# KiCad board GSTrackerOrderFile.kicad_pcb (continued)
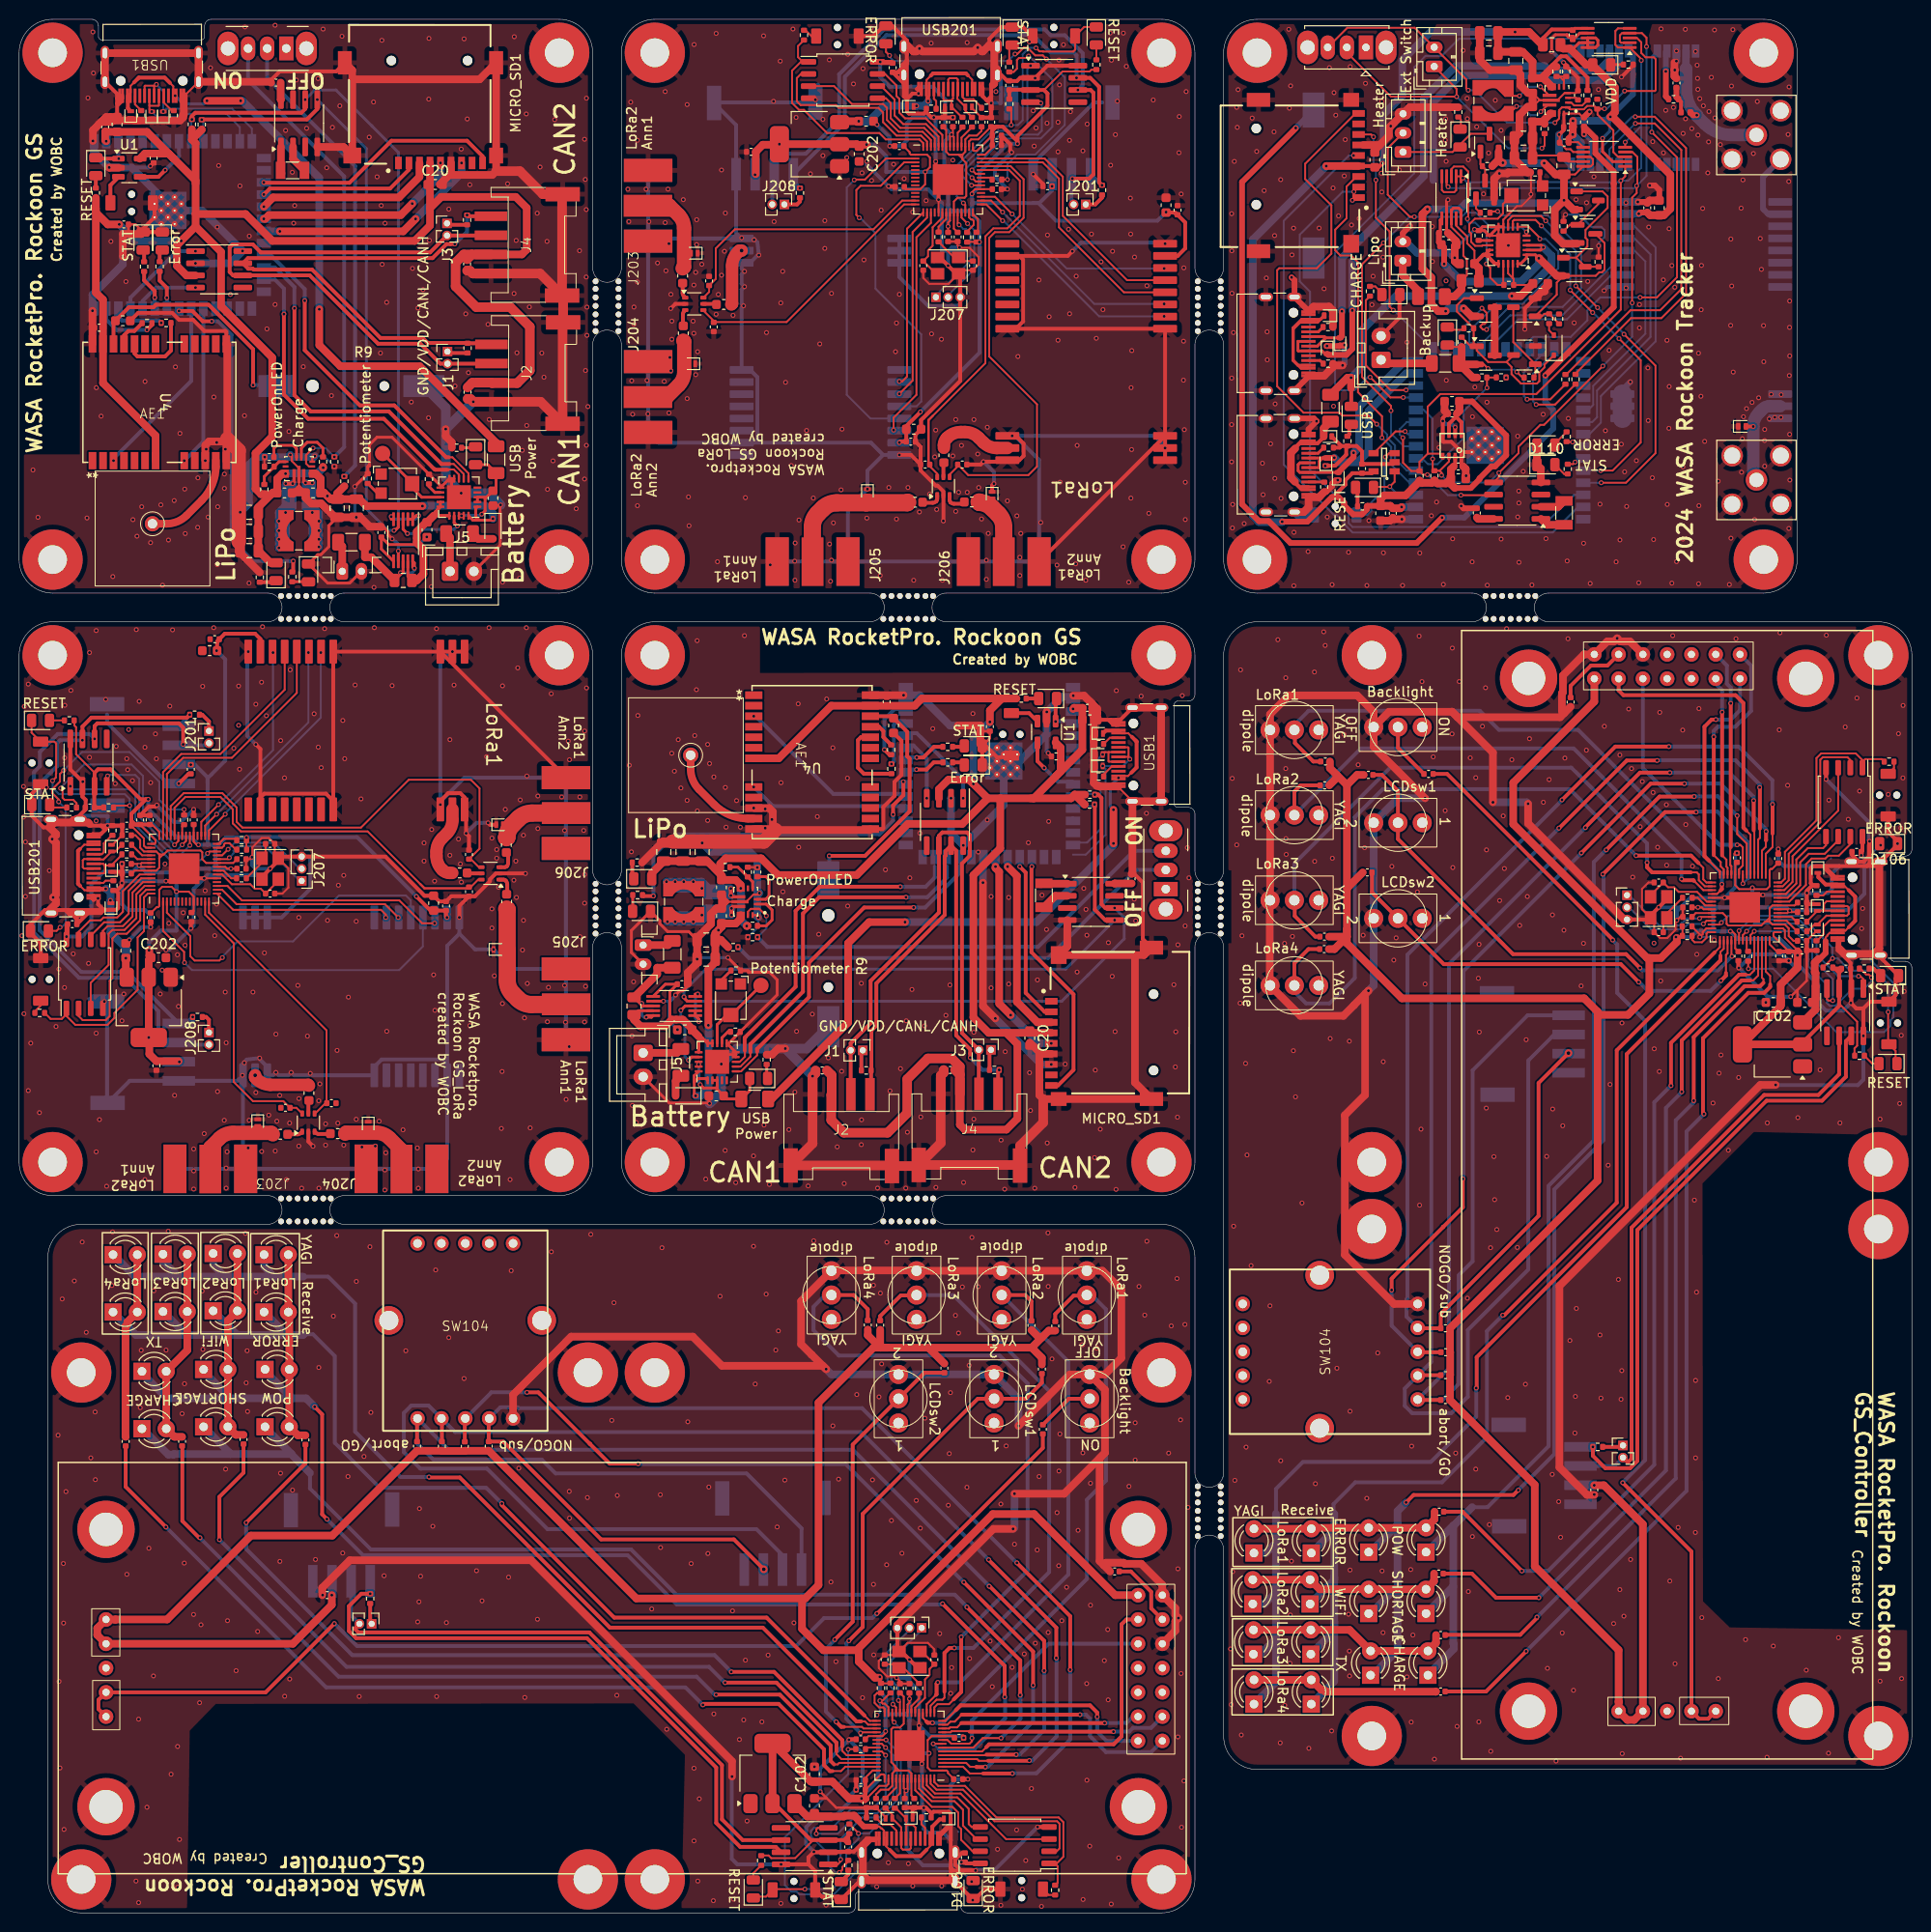
[diagram p0: board, top side]
## Routing (per net, layer and track width the routed paths; a pad name or vN(x,y) marks a point on that pad's centre or on a via; arc(x,y) is an arc through that point) (continued)
(no net): length 12525.4
  Top w0.2: U206#2.49 97.38,185.79 v1(97.53,185.94) ; 98.67,183.45 98.28,183.84 ; 98.67,183.45 98.67,183.37 99.08,182.96 99.08,179.52 98.9,179.34 98.18,179.34 97.78,178.94 U206#2.23 97.78,176.11 98.17,175.72 ; 98.67,183.45 98.67,183.84 ; 98.28,183.84 97.29,183.84 96.98,184.15 U206#2.50 96.98,186.44 96.68,186.74 C222.1 ; 98.28,183.84 98.67,183.84 ; U104#2.25 176.52,103.74 176.12,103.34 ; 116,120.88 116.05,120.93 116.05,121.82 116,121.88 USB1.B6 ; 116,120.88 116.19,120.69 v1(116.19,120.64) ; 116,120.88 USB1.A6 ; R101.2 87.8,8.34 v1(87.8,8.3) ; R205#2.1 9.05,107.93 8.81,107.69 USB201#2.B5 ; U104.41 86.43,15.28 85.98,14.82 85.08,14.82 ; v1(150.83,148.24) 154.18,148.24 U102.6 ; U104.39 86.02,16.08 85.5,16.6 85.5,16.9 ; v1(39.66,104.08) 38.27,105.47 22.74,105.47 21.23,106.98 U206.16 ; R1#2.1 113.45,119.03 114.3,119.88 USB1.A5 ; 179.52,109.76 U104#2.10 179.52,107.46 179.93,107.04 181.17,107.04 v1(181.32,107.19) 181.47,107.04 182.82,107.04 183.12,107.34 U104#2.1 183.12,109.04 183.24,109.16 183.38,109.16 183.92,109.69 183.92,109.76 ; U206#2.43 99.78,184.34 99.88,184.24 100.18,184.24 101.78,185.84 C225#2.1 ; 186.7,93.24 186.58,93.11 ; 15.06,112.45 15.06,119.28 16.96,121.18 21.06,121.18 27.78,127.9 U203#2.8 ; C106#2.2 172,103.67 Y101#2.1 172.37,104.5 R108#2.1 ; v1(100.46,174.71) 100.16,174.71 100.14,174.73 99.18,174.73 ; R129#3.2 150.82,187.51 150.82,186.56 ; USB101.B6 189.07,105.78 188.81,105.51 188.81,104.8 ; 94.93,190.57 94.93,191.66 95.38,192.11 ; U104.26 91.34,20.13 v1(91.54,19.93) ; 177.27,110.6 178,109.88 178,109.43 178.32,109.11 U104#2.13 ; 14.66,110.28 14.66,110.67 ; 14.66,110.28 15.05,110.67 ; 14.66,110.28 14.66,109.29 14.35,108.98 U206.50 12.06,108.98 11.76,108.68 C222#2.1 ; 14.66,110.67 15.05,110.67 ; 14.66,110.67 14.35,110.98 U206.45 13.06,110.98 12.66,111.38 12.66,112.18 12.16,112.68 C224#2.2 ; USB201.A7 97.2,191.71 97.33,191.84 98.06,191.84 98.2,191.71 USB201.B7 98.14,190.66 98.14,189.68 D208.2 ; 101.17,17.32 100.73,16.88 U104.6 ; U206.15 22.4,104.88 37.86,104.88 38.36,104.38 v1(38.36,104.08) ; 165.64,161.74 165.64,161.74 v1(165.67,161.74) 159.52,155.59 159.13,155.59 156.85,153.31 156.85,152.63 v1(154.79,150.57) 154.79,150.12 U102.5 ; U104.30 88.82,19.68 88.48,20.03 88.09,20.03 ; R122#3.2 151.85,163.81 Q103.1 ; C116#3.1 88.52,14.12 89.28,14.88 U104.42 ; v1(143.51,157.07) 143.51,157.57 140.48,160.6 140.48,172.38 v1(142.72,174.62) ; v1(17.3,99.36) 17.26,99.41 17.26,100.48 15.06,102.68 U206.2 ; U206.31 19.06,114.08 v1(20.86,115.88) ; Q103.1 152.16,164.13 R119.1 150.41,167.44 150.41,168.1 151.15,168.84 Q104.1 ; Q103.1 152.48,163.36 153.68,162.16 155.6,162.16 ; U203#2.9 26.56,131.83 v1(26.56,131.78) ; 180.67,113.18 181.12,112.73 U104#2.6 ; 92.15,23 92.54,22.61 U104.23 92.54,19.78 92.14,19.38 91.42,19.38 91.24,19.21 91.24,15.76 91.65,15.35 91.65,15.28 ; 180.61,98.1 181.05,98.1 181.52,98.56 U104#2.38 ; D208#2.2 8.82,110.15 7.84,110.15 USB201#2.B7 6.79,110.19 6.66,110.06 6.66,109.33 6.79,109.19 USB201#2.A7 ; 162.24,185.15 163.08,185.15 U108.6 ; 112.68,193.74 112.69,193.75 D205#2.2 ; U104#2.22 176.22,104.94 176.02,105.14 v1(175.62,105.14) C115#2.1 ; U104.13 97.11,19.68 97.43,20 97.88,20 98.6,20.72 ; 91.75,11.99 91.63,11.99 92.14,12.5 U104.47 ; 97.52,189.53 97.7,189.71 USB201.A6 ; 97.52,189.53 97.52,188.86 D207.2 98.63,187.75 R207#2.1 ; 97.52,189.53 96.81,189.53 96.7,189.65 USB201.B6 ; R105#3.2 196.13,119.71 SW102#3.2 ; 94.61,26.96 Y101.3 94.41,27.33 C105.2 95.24,25.5 95.24,24.88 94.76,24.4 94.76,22.47 93.74,21.45 U104.20 ; U205#2.7 90.58,192.28 91.78,191.08 91.78,189.97 92.08,189.67 92.08,188.24 92.68,187.64 94.83,187.64 96.58,185.89 U206#2.51 ; v1(103.38,181.24) R213.2 ; R112.2 180.88,98.75 v1(180.9,98.72) ; v1(180.33,107.62) 180.32,107.63 U104#2.8 ; U104.18 94.54,20.39 94.9,20.03 ; 86.1,17.39 86.1,16.95 86.56,16.48 U104.38 ; 155.6,162.16 156.12,161.64 156.12,160.9 157.11,159.91 158.78,159.91 159.03,160.16 159.03,161.06 159.57,161.6 159.57,161.89 D111.1 ; 155.6,162.16 Q101.3 ; USB1.B7 114,120.38 113.96,120.43 113.96,121.32 114,121.38 ; v1(139.63,179.97) 140.12,180.46 140.64,180.46 ; U206#2.31 102.08,179.44 v1(103.88,177.64) ; U206#2.37 100.08,181.84 v1(99.68,182.24) ; v1(169.69,193.7) 169.69,193.84 U111.1 167.25,195.05 166.98,195.32 166.98,196.77 167.26,197.05 U111.5 ; U5#2.8 75.39,88.99 75.92,89.53 75.92,90.18 ; U206#2.21 96.98,177.1 96.18,176.3 R209.2 ; 88.37,20.7 88.99,20.08 U104.29 ; U206.21 21.4,108.98 22.2,108.18 R209#2.2 ; R207.1 10.75,110.63 D207#2.2 9.64,109.52 8.97,109.52 ; U206#2.3 92.58,183.04 90.13,180.59 88.03,180.59 87.58,180.14 87.58,177.55 v1(87.88,177.24) ; U203.9 119.83,171.94 v1(119.78,171.94) ; U103.2 191.56,120.54 191.26,120.84 188.68,120.84 188.42,120.58 188.42,114.04 185.12,110.74 185.12,107.97 184.49,107.34 U104#2.55 ; 183.42,112.85 183.42,111.45 182.72,110.74 U104#2.2 ; U104#2.31 178.72,100.33 178.55,100.16 178.55,97.93 ; v1(21.26,99.88) 20.95,99.58 18.36,99.58 17.91,100.03 17.91,102.13 15.46,104.58 U206.3 ; C111#3.2 88.65,11.96 89.97,13.28 90.74,13.28 90.94,13.48 U104.44 ; U104.51 93.74,12.83 95.49,11.08 97.64,11.08 98.24,10.48 98.24,9.05 98.54,8.75 98.54,7.64 99.74,6.44 U103#2.7 ; U103.7 191.56,111.74 190.36,110.54 189.25,110.54 188.95,110.24 187.52,110.24 186.92,109.64 186.92,107.49 185.17,105.74 U104#2.51 ; U104#2.53 184.82,106.54 185.92,107.64 185.92,110.14 187.12,111.34 188.72,111.34 189.02,111.64 U103.5 ; Q108.1 152.4,178.22 R127.1 ; v1(159.25,176.4) 158.62,177.02 156.38,177.02 156.26,176.9 U107.7 ; v1(19.71,110.78) 19.91,110.98 U206.26 ; D101.2 193.86,88.8 193.02,89.64 ; U206.55 13.29,106.98 12.66,106.35 12.66,103.78 11.26,102.38 10.26,102.38 9.76,101.88 9.76,97.75 9.47,97.46 9.47,93.75 9.07,93.35 6.64,93.35 6.22,93.78 U205.2 ; 92.04,14.88 91.65,14.88 ; 92.04,14.88 93.03,14.88 93.34,14.58 U104.50 93.34,12.28 93.64,11.98 C107.1 ; 92.04,14.88 91.65,15.28 ; 91.65,14.88 91.34,14.58 U104.45 91.34,13.28 90.94,12.88 90.14,12.88 89.64,12.38 C109.2 ; 91.65,14.88 91.65,15.28 ; v1(16.26,111.68) 16.66,112.08 U206.37 ; USB201#2.B9 6.81,111.69 6.37,111.25 ; R211#2.1 104.04,192.5 104.38,192.84 104.38,193.74 104.59,193.95 105.39,193.95 v1(105.59,194.15) ; 99.25,192.13 99.7,191.69 USB201.B9 ; v1(141.93,181.19) 141.93,177.24 143.36,175.81 143.36,167.97 v1(143.75,167.57) ; U205#2.5 90.68,189.74 91.18,189.24 91.18,187.64 92.18,186.64 94.68,186.64 95.78,185.54 U206#2.53 ; v1(91.48,155.04) 91.48,156.34 93.87,158.73 93.87,175.2 95.38,176.71 U206#2.17 ; U104#2.20 176.55,105.74 175.53,106.76 173.6,106.76 173.12,107.24 172.5,107.24 C105#3.2 170.67,106.41 Y101#2.3 171.04,106.61 ; U205#2.6 90.18,191.01 91.58,189.61 91.58,187.94 92.48,187.04 94.87,187.04 96.18,185.73 U206#2.52 ; v1(4.66,119.46) 4.64,119.46 4.27,119.09 4.27,118.29 3.46,117.48 3.46,117.09 4.13,116.42 v1(4.13,116.18) ; C230.1 v1(97.18,176.34) 97.18,176.74 97.38,176.94 U206#2.22 ; U206.38 16.26,115.56 17.38,116.68 21.06,116.68 22.36,115.38 22.36,113.91 23.19,113.08 36.46,113.08 41.96,107.58 ; v1(170.79,186.2) 173.43,183.56 173.43,171.02 171.33,168.92 v1(169.57,168.92) ; 148.02,193.07 150.37,190.72 v1(150.37,189.91) 143.5,189.91 138.85,194.56 138.85,195.25 ; U205#2.3 85.25,191.01 87.12,189.14 90.38,189.14 90.78,188.74 90.78,187.47 92.01,186.24 94.52,186.24 95.38,185.38 U206#2.54 ; v1(193.77,97.8) 193.77,97.82 193.48,98.12 193.21,98.12 192.83,98.5 192.83,98.53 192.61,98.74 R110#2.1 192.52,98.74 ; 90.64,10.97 90.63,10.96 R208#2.1 91.34,10.25 91.34,9.92 ; R211#2.2 103.58,195 D209.2 ; R103#3.1 89.65,9.93 90.34,9.23 91.14,9.23 91.77,8.6 USB101#2.A5 ; R105#3.1 194.84,120.64 193.12,120.64 192.83,120.35 U103.1 192.83,120.54 192.13,121.24 188.52,121.24 188.02,120.74 188.02,114.24 184.72,110.94 184.72,108.14 184.32,107.74 U104#2.56 ; U104#2.29 177.92,100.99 177.3,100.37 ; 138,150.63 137.99,150.63 ; v1(159.3,184.52) 159.58,184.8 R131.1 ; U104#2.37 181.12,102.24 v1(181.52,102.64) ; U102#3.4 189.12,95.54 189.27,95.39 v1(189.73,95.39) ; U103#2.5 99.64,8.98 99.34,9.28 99.34,10.88 98.14,12.08 95.64,12.08 94.54,13.18 U104.53 ; U104.32 88.09,18.88 v1(88.02,18.81) ; U104.17 94.94,21.82 95.91,22.79 ; 183.12,104.04 183.12,103.65 ; 183.12,104.04 183.12,105.03 183.42,105.34 U104#2.50 185.72,105.34 186.02,105.64 C107#2.1 ; 183.12,104.04 182.72,103.65 ; 183.12,103.65 182.72,103.65 ; 183.12,103.65 183.42,103.34 U104#2.45 184.72,103.34 185.12,102.94 185.12,102.14 185.62,101.64 C109#2.2 ; R207#4.2 185.92,103.64 185.42,104.14 U104#2.47 ; U110.2 162.37,189.29 162.67,188.99 163.52,188.99 R134.2 ; 156.34,170.85 155.76,171.43 U107.18 ; 156.34,170.85 R120#3.1 158.21,170.22 C115#3.1 ; 156.34,170.85 156.26,170.93 U107.19 ; USB1#2.B7 14.62,189 14.58,188.95 13.67,188.95 13.62,189 ; R132.1 164.77,188.94 164.04,188.94 163.69,188.59 162.22,188.59 U110.1 161.4,188.79 161.12,188.51 161.12,188.17 U110.14 161.1,187.62 v1(160.66,187.19) ; R132.1 165.12,188.59 165.12,188.04 166.77,186.39 166.77,184.1 167.25,183.62 U108.3 ; R132.1 165.12,188.65 v1(165.84,188.65) ; C228#2.1 U206#2.33 100.01,180.24 99.68,179.91 v1(99.68,179.74) ; USB101#2.B6 93.77,8.93 93.51,9.19 92.8,9.19 ; v1(147.87,152.03) 147.87,150.97 R112#3.2 148.6,150.79 ; U104.37 90.24,16.88 v1(90.64,16.48) ; USB201.B4 95.2,189.98 94.93,189.72 94.93,190.67 USB201.A9 ; C231.1 13.9,113.8 14.66,113.04 U206.42 ; v1(21.99,110.33) 21.84,110.18 U206.24 ; 192.92,96.62 192.93,96.62 192.93,97.63 192.62,97.94 v1(192.42,97.94) ; v1(29.97,149.53) 29.77,149.72 U6#2.11 29.77,149.62 29.87,149.53 ; v1(74.52,105.03) 74.73,105.23 U6.11 74.62,105.23 74.52,105.13 ; 191.39,106.94 190.94,107.39 189.85,107.39 ; U205#2.2 81.78,192.28 81.36,191.86 81.36,189.43 81.75,189.03 85.46,189.03 85.75,188.74 89.88,188.74 90.38,188.24 90.38,187.24 91.78,185.84 94.35,185.84 94.98,185.21 U206#2.55 ; v1(17.86,111.63) U206.34 ; C111.2 186.04,100.65 184.72,101.97 184.72,102.74 184.52,102.94 U104#2.44 ; U206#2.20 96.58,177.27 95.56,176.25 95.56,174.32 95.08,173.84 95.08,173.22 C220.2 95.91,171.39 Y201#2.3 95.71,171.76 ; v1(4.29,103.06) 3.91,102.68 3.05,102.68 ; 116.4,122.97 116.03,123.34 115.34,123.34 USB1.A9 ; v1(83.39,8.27) 83.39,8.73 83.54,8.88 U102#2.4 ; v1(156.64,188.88) 155.5,187.75 L102.1 ; 13.86,104.56 13.86,104.63 14.39,105.16 14.54,105.16 14.66,105.28 U206.1 14.66,106.98 14.96,107.28 15.96,107.28 v1(16.46,106.78) 17.75,106.78 18.26,106.27 U206.10 18.26,104.74 18.1,104.58 ; R2.1 12.12,189.1 USB1#2.B5 ; v1(99.21,176.64) 98.58,177.27 U206#2.25 ; 44.95,152.2 45.33,152.2 47.01,150.52 U5.6 ; v1(145.95,177.34) 145.49,177.34 143.17,179.66 143.17,184.52 J104.2 ; 91.14,23.99 90.18,23.99 90.04,24.13 v1(90.04,24.68) ; 188.81,104.8 188.14,104.8 D103.2 187.01,103.67 R207#4.1 187.03,103.64 ; 188.81,104.8 190.2,104.8 USB101.A6 ; U105.1 143.89,149.64 v1(143.38,149.13) 143.36,149.11 142.13,149.11 ; R124#3.1 R123#2.2 159.55,167.2 159.29,166.94 Q102.1 160.85,169.2 160.85,170.47 Q106.2 164.92,171.17 165.3,171.55 165.6,171.55 165.85,171.8 165.85,174.61 Q107.3 ; v1(159.14,190.94) 160.04,190.04 U110.9 ; U103.6 190.29,112.14 188.88,110.74 187.22,110.74 186.32,109.84 186.32,107.45 185.01,106.14 U104#2.52 ; SW102.2 107.71,1.87 R105#2.2 ; Switch202.6 96.04,150.48 95.34,151.18 95.34,151.44 ; U5#2.7 75.46,88.49 76.5,89.54 76.5,90 ; U206.27 21.23,111.38 21.43,111.58 21.43,111.72 21.57,111.85 22,111.85 22.68,111.17 R210#2.2 ; v1(159.08,175.03) 159.08,175.14 157.91,176.31 U107.6 ; v1(142.93,152.23) 143.33,152.63 U105.3 ; U206#2.16 94.98,177.27 93.47,175.76 93.47,160.23 v1(92.08,158.84) ; U205.5 8.76,102.68 9.26,103.18 10.86,103.18 11.86,104.18 11.86,106.68 12.96,107.78 U206.53 ; Q103.2 153.23,161.91 v1(153.66,161.48) ; U104#2.41 182.72,98.43 183.17,97.97 183.17,97.07 ; U205.6 7.49,102.18 8.89,103.58 10.56,103.58 11.46,104.48 11.46,106.87 12.77,108.18 U206.52 ; 9.69,110.98 10.05,110.98 R208.1 ; U103#2.3 103.25,7.71 98.48,12.48 95.8,12.48 94.94,13.35 U104.54 ; R112#2.1 88.7,17.28 U104.36 ; U206#2.36 101.58,181.44 R213.1 ; USB101.A5 189.4,103.78 188.77,103.14 188.77,102.34 188.07,101.65 R103.1 ; v1(86.73,17.1) 86.75,17.12 R112#2.2 ; U104.5 101.13,16.48 101.2,16.55 ; U104#2.36 180.72,100.7 R112.1 ; 175.21,107.91 176.18,106.94 U104#2.17 ; R105.1 160.18,158.26 159.47,158.26 159.47,158.26 v1(157.75,158.26) ; v1(144.75,154.25) 144.77,154.23 144.77,151.63 145.63,150.77 R110#3.2 ; USB1.A7 114,121.38 ; 114,121.38 113.6,121.38 v1(113.35,121.12) ; v1(99.67,18.28) 99.67,17.95 99.41,17.69 97.5,17.69 97.11,18.08 U104.9 ; v1(153.02,167.79) 153.53,167.28 153.53,166.36 153.31,166.14 153.09,166.14 152.88,165.93 152.88,165.81 153.13,165.56 v1(153.51,165.56) ; 188.08,103.34 187.8,103.34 187.1,102.64 R208#3.1 ; U6.14 76.24,104.68 76.54,104.98 U6.1 77.44,104.98 v1(78.17,104.25) ; U109.5 148.83,180.14 149.04,179.93 150.14,179.93 150.33,180.12 U109.2 U109.1 151.02,181.39 v1(151.04,181.39) ; U104.49 92.94,12.93 v1(92.79,12.78) ; U104#2.26 177.87,103.34 v1(178.07,103.54) ; 2.26,95.29 2.26,94.88 1.65,94.27 R206#2.2 ; U206.35 17.46,112.08 v1(17.06,111.68) ; v1(185.22,104.79) 185.37,104.64 C112.1 ; v1(185.22,104.79) 184.97,104.54 U104#2.48 ; v1(185.22,104.79) 185.07,104.94 U104#2.49 ; 7.89,119.22 5.96,121.15 5.96,123.98 5.78,124.16 5.78,124.68 ; U104.56 95.74,13.68 96.14,13.28 98.94,13.28 102.24,9.98 108.74,9.98 109.24,9.48 109.24,5.87 108.54,5.17 U103#2.1 108.35,5.17 108.64,4.88 108.64,3.16 R105#2.1 ; C228.1 U206.33 18.26,112.01 18.59,111.68 v1(18.76,111.68) ; v1(179.73,111.68) 180.05,111.68 180.31,111.41 180.31,109.5 179.92,109.11 U104#2.9 ; 83.92,7.62 83.08,7.62 81.18,5.72 78.68,5.72 78.4,6 77.64,6 ; U101#2.4 148.66,152.58 147.35,152.58 ; 92.58,180.4 92.74,180.24 U206#2.10 94.27,180.24 94.78,180.75 v1(94.78,182.04) 95.28,182.54 95.28,183.54 94.98,183.84 U206#2.1 93.28,183.84 93.16,183.96 93.16,184.11 92.63,184.64 92.56,184.64 ; v1(92.79,12.78) 92.64,12.63 C112#2.1 ; v1(92.79,12.78) 92.54,13.03 U104.48 ; R110#3.2 146.88,150.38 v1(147.32,150.38) ; R110#3.2 146.49,151.72 147.35,152.58 ; 182.1,113.38 182.1,112.4 181.92,112.22 U104#2.4 ; 15.05,110.67 15.13,110.67 15.54,111.08 18.98,111.08 19.16,110.9 19.16,110.18 19.56,109.78 U206.23 22.39,109.78 22.78,110.17 ; 162.88,173.07 164.06,174.25 164.06,174.95 163.86,175.15 163.86,175.97 166.17,178.28 166.17,179.47 165.64,180 Q105.1 ; 162.88,173.07 Q106.3 165.23,172.12 R126#2.1 ; 162.88,173.07 Q106.1 ; R108#3.2 94.14,22.42 93.34,21.62 U104.21 ; v1(156.67,161.12) 157.27,160.53 R121.1 ; U206#2.56 94.58,185.04 94.18,185.44 90.65,185.44 89.99,186.11 84.51,186.11 82.09,188.53 81.58,188.53 80.86,189.26 80.86,192.63 81.78,193.55 U205#2.1 81.97,193.55 81.48,194.04 81.48,195.21 R206.1 ; v1(165.12,167.85) v1(162.85,170.12) ; U109.3 149.83,182.34 150.1,182.61 151.06,182.61 151.59,182.08 151.59,177.22 v1(151.5,177.14) ; R210.2 99.17,175.82 99.86,176.5 99.86,176.93 99.72,177.07 99.58,177.07 99.38,177.27 U206#2.27 ; U104#2.12 178.72,109.28 178.6,109.39 178.6,110.12 178.15,110.57 ; USB1#2.A5 15.12,189.3 15.98,188.45 R1.1 ; USB1#2.A9 11.66,190.34 11.66,191.03 12.02,191.4 ; U206.43 14.16,111.78 14.26,111.88 14.26,112.18 12.66,113.78 C225.1 ; U204#2.4 106.78,189.34 v1(106.88,189.24) ; U104#2.3 182.32,111.07 182.73,111.47 182.73,112.15 ; R208#2.2 91.74,13.09 U104.46 ; J104.1 149.96,184.12 151.86,186.03 Q109.3 ; C224.2 100.68,186.34 100.18,185.84 99.38,185.84 98.98,185.44 U206#2.45 98.98,184.15 98.67,183.84 ; v1(9.26,118.88) 9.16,118.78 U204.4 ; 176.8,110 177.92,108.88 U104#2.14 ; 114.71,118.57 USB1.B9 116,118.88 116.35,119.22 ; U104#2.16 176.34,107.34 175.71,107.98 175.71,108.59 175.5,108.8 174.88,108.8 ; U107.13 153.11,174.37 153.05,174.31 152.31,174.31 151.89,174.73 151.89,175.6 151.7,175.79 151.7,176.56 152.29,177.15 154.68,177.15 155.22,177.69 155.22,178.67 RV101.2 ; R101#3.2 189.66,99.8 v1(189.7,99.8) ; U104.3 99.07,15.68 99.48,15.28 100.15,15.28 ; 140.64,185.96 141.43,185.96 v1(141.68,185.71) ; 94.94,6.61 95.39,7.06 95.39,8.15 ; U104#2.40 182.32,97.78 182.48,97.62 182.48,97.25 ; U107.17 155.26,170.28 R120#3.2 154.66,170.22 153.89,170.99 153.89,172.02 v1(153.49,172.41) ; U108.1 168.01,181.58 v1(167.55,181.12) 167.55,167.65 158.72,158.81 148.67,158.81 147.35,157.5 147.35,152.58 ; v1(103.78,186.94) 103.78,188.43 R202.2 ; C113#2.1 88.85,18.48 U104.33 90.31,18.48 90.64,18.81 v1(90.64,18.98) ; v1(91.06,194.21) 90.68,194.59 90.68,195.45 ; U203.8 115.9,170.72 109.18,177.44 109.18,181.54 107.28,183.44 100.45,183.44 ; 14.12,191 14.31,191.19 v1(14.36,191.19) ; 14.12,191 14.08,191.06 13.17,191.06 13.12,191 USB1#2.B6 ; 14.12,191 USB1#2.A6 ; v1(12.56,109.53) 12.71,109.38 U206.49 ; v1(12.56,109.53) 12.41,109.68 C227.1 ; v1(12.56,109.53) 12.81,109.78 U206.48 ; v1(21.86,111.21) 21.23,110.58 U206.25 ; U104.24 92.14,22.05 v1(91.98,22.21) ; 6.39,107.38 6.84,106.93 7.93,106.93 ; v1(99.63,180.64) U206#2.34 ; C226#2.2 101.67,186.76 100.35,185.44 99.58,185.44 99.38,185.24 U206#2.44 ; U206#2.42 101.04,183.84 101.8,184.6 C231#2.1 ; R125.1 162.22,176.51 Q107.1 165.21,178.7 Q105.3 ; C123.1 162.85,189.79 U110.3 ; C113#3.1 179.52,100.85 U104#2.33 179.52,102.31 179.19,102.64 v1(179.02,102.64) ; Switch201.6 72.18,169.49 C206.1 72.88,170.86 72.88,174.04 74.88,176.04 89.37,176.04 92.37,179.04 U206#2.13 ; U206.22 21.56,109.38 21.76,109.18 v1(22.16,109.18) C230#2.1 ; 142.52,169.42 141.87,170.07 R114#2.1 ; U206#2.47 98.18,186.14 98.68,186.64 R207#2.2 98.57,186.73 ; 140.64,181.56 139.91,181.56 138.86,180.51 138.86,177.19 137.67,176 137.67,173.85 138.22,173.3 139.35,173.3 140.06,172.59 140.06,159 142.57,156.49 142.57,154.26 v1(142.56,154.25) ; U104.28 90.54,21.34 90.4,21.48 89.96,21.48 89.49,21.95 89.49,22.73 89.75,22.99 R111.2 ; Q108.3 153.35,182.36 R128.2 152.87,182.84 Q109.1 ; v1(153.55,159.46) 153.55,160.53 R116#2.2 154.52,160.54 R117.1 ; U6.9 74.6,106.23 v1(74.45,106.38) ; USB201#2.A6 8.79,109.69 8.97,109.52 ; U206.56 13.46,106.58 13.06,106.18 13.06,102.66 12.39,101.99 12.39,96.51 9.97,94.09 9.97,93.58 9.24,92.85 5.87,92.85 4.95,93.78 U205.1 4.95,93.97 4.46,93.48 3.29,93.48 R206#2.1 ; L102.2 155.45,189.99 v1(156.95,189.99) ; 91.64,10.97 91.69,10.97 D103#3.2 92.8,9.86 92.8,9.19 ; U206#2.29 101.18,178.64 v1(102.88,176.94) ; Switch201#2.4 30.96,83.58 32.04,84.66 C207.1 32.16,84.69 32.16,92.28 19.86,104.58 U206.14 ; v1(195.52,94.2) 195.52,90.91 196.3,90.13 196.3,88.94 D101.1 ; R211.1 6,116.04 5.66,116.38 4.76,116.38 4.55,116.59 4.55,117.39 v1(4.35,117.59) ; U206.17 21.79,107.38 23.3,105.87 39.77,105.87 42.16,103.48 v1(43.46,103.48) ; v1(159.19,188.34) 159.89,189.04 U110.11 ; 100.85,14.57 99.45,14.57 98.74,15.28 U104.2 ; v1(149.49,180.48) 149.33,180.64 U109.4 ; v1(92.08,160.14) 92.38,160.14 92.88,160.64 92.88,176.1 U206#2.15 ; 188.98,101.6 188.98,101.99 189.17,102.18 189.17,102.24 189.4,102.47 USB101.A4 ; R209.1 97.82,173.09 Y201#2.1 98.65,172.72 C221.2 ; v1(139.59,183.76) 140.64,183.76 ; v1(144.79,158.46) 143.44,158.46 v1(141.33,160.57) ; v1(28.62,149.45) 28.77,149.6 U6#2.9 ; U206.47 12.36,110.18 11.86,110.68 R207.2 11.77,110.57 ; C115.1 v1(93.14,22.38) 93.14,21.98 92.94,21.78 U104.22 ; D109.2 160.65,153.63 R109.2 ; D205#2.1 111.41,197.2 SW201.1 110.47,194.81 110.28,194.63 107.13,194.63 107.1,194.65 106.73,194.65 v1(106.38,195) ; C110#2.1 88.54,12.88 90.14,14.48 90.44,14.48 90.54,14.38 U104.43 ; v1(167.89,165.07) 171.18,161.78 171.18,152.63 168.09,149.54 v1(165.5,149.54) ; R213#2.1 17.06,113.58 U206.36 ; USB1#2.A7 13.62,189 ; 13.62,189 13.62,188.6 v1(13.88,188.35) ; U104#2.42 183.12,101.28 183.88,100.52 C116.1 ; U104.25 91.74,21.48 91.34,21.88 ; 181.45,113.2 181.52,113.13 U104#2.5 ; U206.29 19.86,113.18 v1(21.56,114.88) ; v1(30.75,153.17) 30.02,152.44 U6#2.1 30.02,151.54 30.32,151.24 U6#2.14 ; v1(179.92,102.69) U104#2.34 ; U206.44 13.26,111.38 13.06,111.58 13.06,112.35 11.74,113.67 C226.2 ; U104.31 88.33,19.28 88.16,19.45 85.92,19.45 ; 98.98,188.81 98.98,188.45 R208#4.1 ; R209#2.1 25.41,109.82 Y201.1 25.78,110.65 C221#2.2 ; v1(175.79,103.98) 175.95,104.14 U104#2.24 ; SW102#2.3 138.94,197.11 145.98,197.11 151.38,191.71 151.38,190.79 v1(151.59,190.58) ; R133.2 151.44,171.22 151.44,172.91 151.08,173.27 151.08,175.03 149.83,176.28 U109.8 ; R202#2.2 10.07,115.78 v1(11.56,115.78) ; v1(98.78,178.79) 98.98,178.59 U206#2.26 ; D101#3.1 76.94,1.7 78.13,1.7 78.91,2.48 v1(82.2,2.48) ; 90.7,7.92 90.7,6.96 91.07,6.59 ; 44.83,150.93 45.47,150.93 46.01,150.39 U5.8 ; U104#2.54 184.65,106.94 185.52,107.8 185.52,110.48 190.29,115.25 U103.3 ; v1(23.79,112.46) 23.79,112.16 23.77,112.14 23.77,111.18 ; v1(20.66,114.88) 19.46,113.68 U206.30 ; v1(97.53,185.94) 97.78,185.69 U206#2.48 ; v1(97.53,185.94) 97.68,186.09 C227#2.1 ; U104#2.15 176.51,107.74 176.17,108.07 176.17,109.28 175.67,109.78 ; 107.22,190.61 109.15,192.54 111.98,192.54 112.16,192.72 112.68,192.72 ; U104.55 95.34,13.51 95.97,12.88 98.74,12.88 102.04,9.58 108.58,9.58 108.84,9.32 108.84,6.74 108.54,6.44 U103#2.2 ; R2#2.1 114.1,122.88 USB1.B5 ; 182.72,103.65 182.65,103.65 182.24,103.24 178.79,103.24 178.62,103.42 178.62,104.14 178.22,104.54 U104#2.23 175.39,104.54 175,104.15 ; U206.51 12.61,108.58 10.86,106.83 10.86,104.68 10.26,104.08 8.83,104.08 8.53,103.78 7.42,103.78 6.22,102.58 U205.7 ; U104.7 99.81,17.28 100.8,18.28 v1(102.73,18.28) ; R108#3.1 92.5,25.63 Y101.1 91.67,26 C106.2 ; v1(104.18,194.37) 104.42,194.37 105.09,195.04 105.48,195.04 106.29,194.23 107.1,194.23 107.46,193.86 v1(107.46,193.84) ; U203.7 115.57,169.45 108.78,176.24 108.78,181.34 107.08,183.04 U206#2.40 ; 113.46,120.03 v1(113.35,119.93) ; 179.05,111.44 179,111.39 179,109.56 179.12,109.44 U104#2.11 ; U104.8 95.63,17.68 v1(95.62,17.68) ; U104.12 97.28,19.28 97.39,19.4 98.12,19.4 98.57,19.85 ; v1(162.77,151.7) 162.56,151.49 161.97,151.49 ; U104#2.30 178.32,100.82 177.98,100.48 177.98,100.09 ; 181.1,97.5 181.4,97.5 181.92,98.02 U104#2.39 ; U206.13 19.46,104.37 22.46,101.37 22.46,86.88 24.46,84.88 27.64,84.88 C206#2.1 29.01,84.18 Switch201#2.6 ; v1(98.33,176.51) 98.18,176.66 U206#2.24 ; U206#2.39 103.72,182.64 105.08,181.28 105.08,177.24 103.58,175.74 102.08,175.74 101.48,175.14 101.48,162.74 106.48,157.74 106.48,151.24 105.58,150.34 99.28,150.34 C214#2.1 98.18,151.24 97.34,150.4 Switch202.4 ; 77.64,4.98 76.8,4.14 D101#3.2 ; 162.81,160.94 162.81,160.95 168.61,166.75 171.8,166.75 174.38,169.33 174.38,184.53 171.1,187.81 v1(169.06,187.81) ; U104.52 94.14,12.99 95.45,11.68 97.84,11.68 98.74,10.78 98.74,9.12 100.14,7.71 U103#2.6 ; 96.8,23.12 96.8,22.5 96.59,22.29 95.98,22.29 95.34,21.66 U104.16 ; U206.28 20.87,111.78 21.39,112.31 22.62,112.31 R212.2 ; U111.2 167.58,195.55 167.46,195.68 167.46,196.32 167.68,196.55 U111.4 169.76,196.55 170.24,196.07 v1(170.24,195.15) ; 92.8,9.19 92.8,7.8 USB101#2.A6 ; C119.1 158.56,183.76 161.44,183.76 R130.2 162.08,183.12 U108.9 ; U206#2.14 92.58,178.64 80.28,166.34 72.7,166.34 C207#2.1 72.66,166.46 71.58,167.54 Switch201.4 ; 149.6,165.53 150.98,165.53 R119.2 ; R123#2.1 160.05,165.47 D111.2 ; R108#2.2 175.58,106.14 176.38,105.34 U104#2.21 ; R127.2 154.01,177.91 154.66,177.91 v1(154.67,177.92) ; 148.6,150.79 148.8,150.59 v1(148.8,150.32) ; 148.6,150.79 149.58,151.76 149.58,152.31 ; R206.2 82.27,196.85 82.88,196.24 83.29,196.24 ; U205.3 7.49,97.25 9.36,99.12 9.36,102.38 9.76,102.78 11.03,102.78 12.26,104.01 12.26,106.52 13.12,107.38 U206.54 ; v1(165.46,150.81) 166.69,150.81 169.63,153.75 169.63,162.34 v1(167.36,164.61) ; 161.94,153.81 161.95,153.8 v1(162.51,153.8) ; USB201#2.B6 8.85,108.69 8.97,108.81 8.97,109.52 ; 84.62,5.08 84.62,5.07 85.63,5.07 85.94,5.38 v1(85.94,5.58) ; R121.2 158.61,160.68 Q101.1 156.31,164.24 Q102.3 ; v1(180.72,102.64) 180.32,102.24 U104#2.35 ; USB101.B5 189.11,106.78 188.73,106.39 R104.1 ; USB201#2.B4 8.52,107.19 8.78,106.93 7.83,106.93 7.79,106.9 ; 81.24,11.3 U101#3.3 ; 160.67,151.41 161.62,150.46 R111#3.2 ; U104.27 90.94,21.5 90.56,21.88 90.34,21.88 v1(90.04,22.18) 90.31,22.18 91.13,23 R109#2.2 ; U104.11 97.44,18.88 97.56,19 99.39,19 99.44,18.95 ; U206.20 21.23,108.58 22.25,107.56 24.18,107.56 24.66,107.08 25.28,107.08 C220#2.2 27.11,107.91 Y201.3 26.74,107.71 ; U206.40 15.46,119.08 17.16,120.78 22.26,120.78 29.05,127.57 U203#2.7 ; R104#2.1 94.39,9.27 94.77,8.89 USB101#2.B5 ; D104.2 189.05,104.28 USB101.B7 191.21,104.28 191.39,104.45 191.39,105.13 191.24,105.28 USB101.A7 ; U5.7 46.51,150.46 45.46,151.5 45,151.5 ; U104#2.28 176.66,102.54 176.52,102.4 176.52,101.96 176.05,101.49 175.27,101.49 175.01,101.75 R111#2.2 ; U104.40 85.78,15.68 85.62,15.53 85.25,15.53 ; R208.2 12.87,110.58 U206.46 ; v1(158.7,157.72) 160.67,157.72 R104#3.1 ; v1(85.8,4.22) 85.83,4.22 86.12,4.52 86.12,4.79 86.5,5.18 86.52,5.18 86.74,5.39 R110.1 86.74,5.48 ; U206#2.35 100.08,181.04 v1(99.68,181.44) ; v1(167.95,190.5) 171.11,190.5 171.2,190.59 171.2,193.82 170.99,194.03 170.14,194.03 169.69,194.48 169.69,195.6 169.24,196.05 U111.3 ; v1(137.59,152.16) 137.56,152.13 ; v1(90.64,17.28) 90.24,17.68 U104.35 ; 97.76,18.48 U104.10 95.46,18.48 95.04,18.06 95.04,16.83 v1(95.19,16.68) 95.04,16.53 95.04,15.18 95.34,14.88 U104.1 97.04,14.88 97.16,14.76 97.16,14.62 97.69,14.08 97.76,14.08 ; C110#3.1 185.12,100.54 183.52,102.14 183.52,102.44 183.62,102.54 U104#2.43 ; 14.97,188.45 v1(15.08,188.35) ; v1(87.36,181.2) 87.4,181.24 88.48,181.24 90.68,183.44 U206#2.2 ; U109.9 150.33,176.42 151.48,175.27 151.48,174.57 152.24,173.81 C118#2.1 ; U104#2.46 184.89,103.74 R208#3.2 ; 98,21.2 96.88,20.08 U104.14 ; v1(102.88,177.84) 101.68,179.04 U206#2.30 ; U104.4 100.22,16.08 100.4,15.9 101.38,15.9 ; v1(144.99,154.9) 143.99,154.9 141.74,152.65 ; 77.2,90.05 77.2,89.67 75.52,87.99 U5#2.6 ; 149.6,163.95 149.81,163.74 R122#3.1 ; R204.1 9.7,112.67 8.86,111.83 8.86,110.91 8.64,110.69 USB201#2.A5 ; 47.06,107.34 47.32,107.34 48.02,108.04 Switch202#2.6 ; U104#2.32 179.12,100.09 v1(179.19,100.02) ; 97.77,22.32 97.27,21.82 96.08,21.82 95.74,21.49 U104.15 ; v1(159.7,176.93) 159.2,177.43 156.21,177.43 155.76,176.98 U107.8 ; D205.1 1.3,123.41 SW201#2.1 3.69,122.47 3.87,122.28 3.87,119.13 3.85,119.1 3.85,118.73 v1(3.5,118.38) ; v1(179.73,114.72) 179.73,112.8 180.72,111.81 U104#2.7 ; R114#2.2 140.88,168.62 140.88,161.8 143.45,159.23 v1(145.08,159.23) ; R212#2.2 100.3,175.88 100.3,177.11 99.78,177.63 U206#2.28 ; D104#3.2 92.27,8.95 USB101#2.B7 92.27,6.79 92.45,6.61 93.13,6.61 93.27,6.76 USB101#2.A7 ; 95.58,156.54 101.08,162.04 101.08,175.31 101.91,176.14 103.38,176.14 104.68,177.44 104.68,181.12 103.56,182.24 U206#2.38 ; R130.1 162.76,181.78 U108.10 164.4,182.62 164.63,182.86 164.63,183.35 164.37,183.62 U108.8 ; v1(173.32,102.04) 173.87,102.04 174.01,102.18 174.01,103.14 ; D205.2 4.75,124.69 4.76,124.68 ; v1(169.08,187.11) 171.1,187.11 173.88,184.33 173.88,169.79 171.67,167.58 168.57,167.58 161.85,160.86 R105.2 ; USB201.B5 95.7,189.69 95.93,189.45 R205.1 ; R204#2.1 100.67,188.8 99.83,189.64 98.91,189.64 98.7,189.86 USB201.A5 ; 190.08,102.7 191.04,102.7 191.41,103.07 ; 190.38,95.93 190.38,95.07 192.28,93.18 192.28,90.68 192,90.4 192,89.64 ; Switch202#2.4 48.1,109.34 47.26,110.18 C214.1 48.16,111.28 48.16,117.58 47.26,118.48 40.76,118.48 35.76,113.48 23.36,113.48 22.76,114.08 22.76,115.58 21.26,117.08 17.22,117.08 15.86,115.72 U206.39 ; 146.49,149.55 R110#3.1 ; 168.73,168.35 v1(168.74,168.35) 168.73,168.36 168.73,179.35 169.21,179.83 v1(169.21,180.59) 169.28,180.66 169.28,183.61 168.77,184.12 U108.4 ; v1(168.01,185.15) U108.5 ; R211.2 3.5,115.58 D209#2.2 ; R208#4.2 98.58,185.63 U206#2.46 ; v1(17.26,115.38) R213#2.2 ; U107.5 157.7,175.74 v1(157.68,175.76) ; U104#2.18 177.61,106.54 177.97,106.9 ; USB101#2.A4 90.48,8.6 90.24,8.83 90.18,8.83 89.99,9.03 89.6,9.03 ; v1(90.69,18.08) U104.34 ; 16.42,189.7 USB1#2.B9 16.12,191 15.77,191.35 ; v1(164.6,167.34) v1(162.26,169.68) ; 161.6,191.78 R135.2 R136.1 161.15,192.02 161.6,191.57 U110.5 161.6,191.78
  Top w0.25: 54.88,114.27 54.93,114.22 ; Switch201#2.6 29.58,83.58 ; 95.34,151.44 95.13,151.65 95.13,156.09 95.58,156.54 ; 47.06,107.34 46.85,107.13 42.41,107.13 41.96,107.58 ; 102.27,143.62 102.22,143.57 ; Switch201.6 71.58,168.92
  Top w0.3: v1(41.79,146.1) 41.54,146.1 41.17,145.72 40.67,145.72 ; USB102.A7 135.94,151.12 136,151.18 136,151.78 136.35,152.13 D107#3.2 136.69,152.12 USB102.B7 ; 65.23,94.83 65.12,94.93 v1(65.12,95.1) ; 65.23,94.83 R18.2 ; 65.23,94.83 U7.8 ; 44,146.95 U5.15 U5.14 ; 44,146.95 43.53,146.49 ; 44,146.95 43.73,146.69 43.73,146.29 ; 42.87,149.42 42.87,149.15 43.49,148.53 U5.12 ; 71.29,91.27 71.09,91.07 U5#2.16 71.09,91.64 71.31,91.64 71.49,91.47 ; 71.29,91.27 71.49,91.47 ; 71.29,91.27 71.69,91.27 71.95,91 ; LED2#2.2 64.19,104.74 R16#2.1 ; R107.1 136.51,149.62 USB102.B5 ; R118.1 152.69,174.87 U107.12 ; 136.67,164.69 135.8,163.82 USB101#3.A7 ; 136.67,164.69 136.54,164.82 USB101#3.B7 ; 136.67,164.69 D104#2.2 ; 162.81,160.94 R104#3.2 ; 133.31,153.12 134.11,153.92 USB102.A4 ; USB102.B9 133.99,153.62 133.49,153.12 ; 133.29,149.64 134.11,148.82 USB102.A9 ; 70.62,87.53 U5#2.20 ; 70.62,87.53 70.62,85.59 v1(70.77,85.43) ; 70.62,87.53 70.62,86.87 70.99,87.24 71.85,87.24 U5#2.1 ; v1(71.1,93.21) 71.1,93.46 U7.1 U7.2 ; USB101#3.A5 135.91,165.32 R101#2.1 ; 137.99,150.63 137.98,150.62 USB102.B6 133.97,150.62 133.79,150.8 133.79,151.43 133.98,151.62 USB102.A6 ; v1(65.6,93.66) 66.15,93.66 U7.10 ; U111.9 U111.10 164.91,195.05 165.15,195.3 165.15,195.8 164.91,196.05 U111.8 U111.9 ; U111.9 163.2,195.55 162.42,194.77 ; U5.18 v1(46.27,146.09) U5.19 ; 133.47,149.64 133.99,149.12 USB102.B4 ; R19#2.2 78.15,103.21 78.77,103.82 78.77,104.86 78.15,105.48 U6.2 ; C15#2.1 26.65,153.13 26.97,153.45 28.67,153.45 29.02,153.1 U6#2.3 ; 71.49,91.47 71.95,91 ; 71.95,91 U5#2.15 U5#2.14 ; LED1#2.2 76.42,85.98 F1#2.2 74.02,85.1 C9#2.1 73.02,86.1 ; R16.1 30.26,139.19 LED2.2 ; U7.9 64.75,94.33 ; RV1#2.3 73.45,97.51 R13.1 ; 70.75,96.08 70.73,96.06 U7.5 ; 46.47,153.2 R12#2.1 47.65,153.2 LED1.1 ; 73.02,86.1 72.88,86.25 71.6,86.25 v1(71.25,86.6) ; 73.02,86.1 U5#2.3 U5#2.2 ; U109.6 148.66,177.01 148.66,175.83 148.52,175.69 ; U6#2.5 27.19,151.74 R20.2 25.65,150.19 R21.1 ; R14.1 74.15,92.13 73.52,91.51 U5#2.12 ; U7.3 69.67,94.83 v1(69.23,94.38) ; U7.6 67.6,97.1 C14#2.1 68.08,96.33 68.08,93.61 68.28,93.41 ; USB102.A5 135.88,152.62 R106.1 ; v1(70.02,89.16) 70.36,89.49 U5#2.17 ; U7#2.6 37.89,142.6 C14.1 38.67,143.07 41.39,143.07 41.6,143.28 ; 48.89,148.03 U5.3 U5.2 ; 48.89,148.03 48.75,147.88 48.75,146.6 v1(48.39,146.25) ; 48.89,148.03 C9.1 49.89,149.03 F1.2 49.02,151.43 LED1.2 ; 47.48,145.62 U5.20 ; 47.48,145.62 49.41,145.62 v1(49.57,145.78) ; 47.48,145.62 48.13,145.62 47.76,145.99 47.76,146.84 U5.1 ; v1(115,118.68) 114.9,118.57 114.71,118.57 ; U7#2.9 40.67,139.75 ; C128.1 162.72,197.05 U111.6 ; C15.1 78.13,108.35 78.45,108.03 78.45,106.33 78.1,105.98 U6.3 ; 16.42,189.7 16.42,189.9 v1(16.32,190) ; 40.17,140.22 40.07,140.12 v1(39.89,140.12) ; 40.17,140.22 U7#2.8 ; 40.17,140.22 R18#2.2 ; 43.73,146.29 43.53,146.49 ; 43.73,146.29 43.93,146.09 U5.16 43.36,146.09 43.36,146.31 43.53,146.49 ; v1(158.97,173.01) 158.61,173.37 U107.1 157.7,173.06 157.07,172.43 U107.20 ; U107.2 159.16,173.87 v1(159.44,174.15) 159.22,174.37 U107.3 ; 39.67,145.72 39.67,144.9 39.42,144.65 39.27,144.65 ; 149.83,178.01 U109.8 149.83,178.04 150.04,178.25 150.58,178.25 150.83,178.01 U109.10 ; 69.65,95.73 69.65,95.58 69.9,95.33 U7.4 ; R13#2.1 37.49,148.45 RV1.3 ; R21#2.1 75.2,109.35 R20#2.2 76.74,107.81 U6.5 ; R19.2 31.79,153.16 31.18,153.77 30.14,153.77 29.52,153.15 U6#2.2 ; v1(45.85,145.03) 45.51,145.36 U5.17 ; 39.17,145.72 38.95,145.72 38.92,145.75 ; v1(40.62,144.22) 40.17,144.68 40.17,145.72 ; USB101#3.A6 133.77,164.32 133.77,163.37 133.83,163.32 USB101#3.B6 136.3,163.32 136.6,163.02 D103#2.2 ; 78.2,88.53 R12.1 78.2,87.35 LED1#2.1 ; U7#2.10 41.35,141.15 v1(41.35,140.6) ; v1(165.64,185.55) 165.64,184.17 166.69,183.12 U108.2 ; U5#2.19 v1(71.09,88.73) U5#2.18 ; U5.13 42.12,148.03 41.12,149.03 41.12,149.5 NOREF#60.1 ; U5#2.13 73.02,92.88 74.02,93.88 74.5,93.88 NOREF#9.1 ; 152.23,172.45 C118#2.1 ; 166.61,193.26 R138.1